# KiCad board Turbo_XT_Mainboard R3.kicad_pcb (continued)
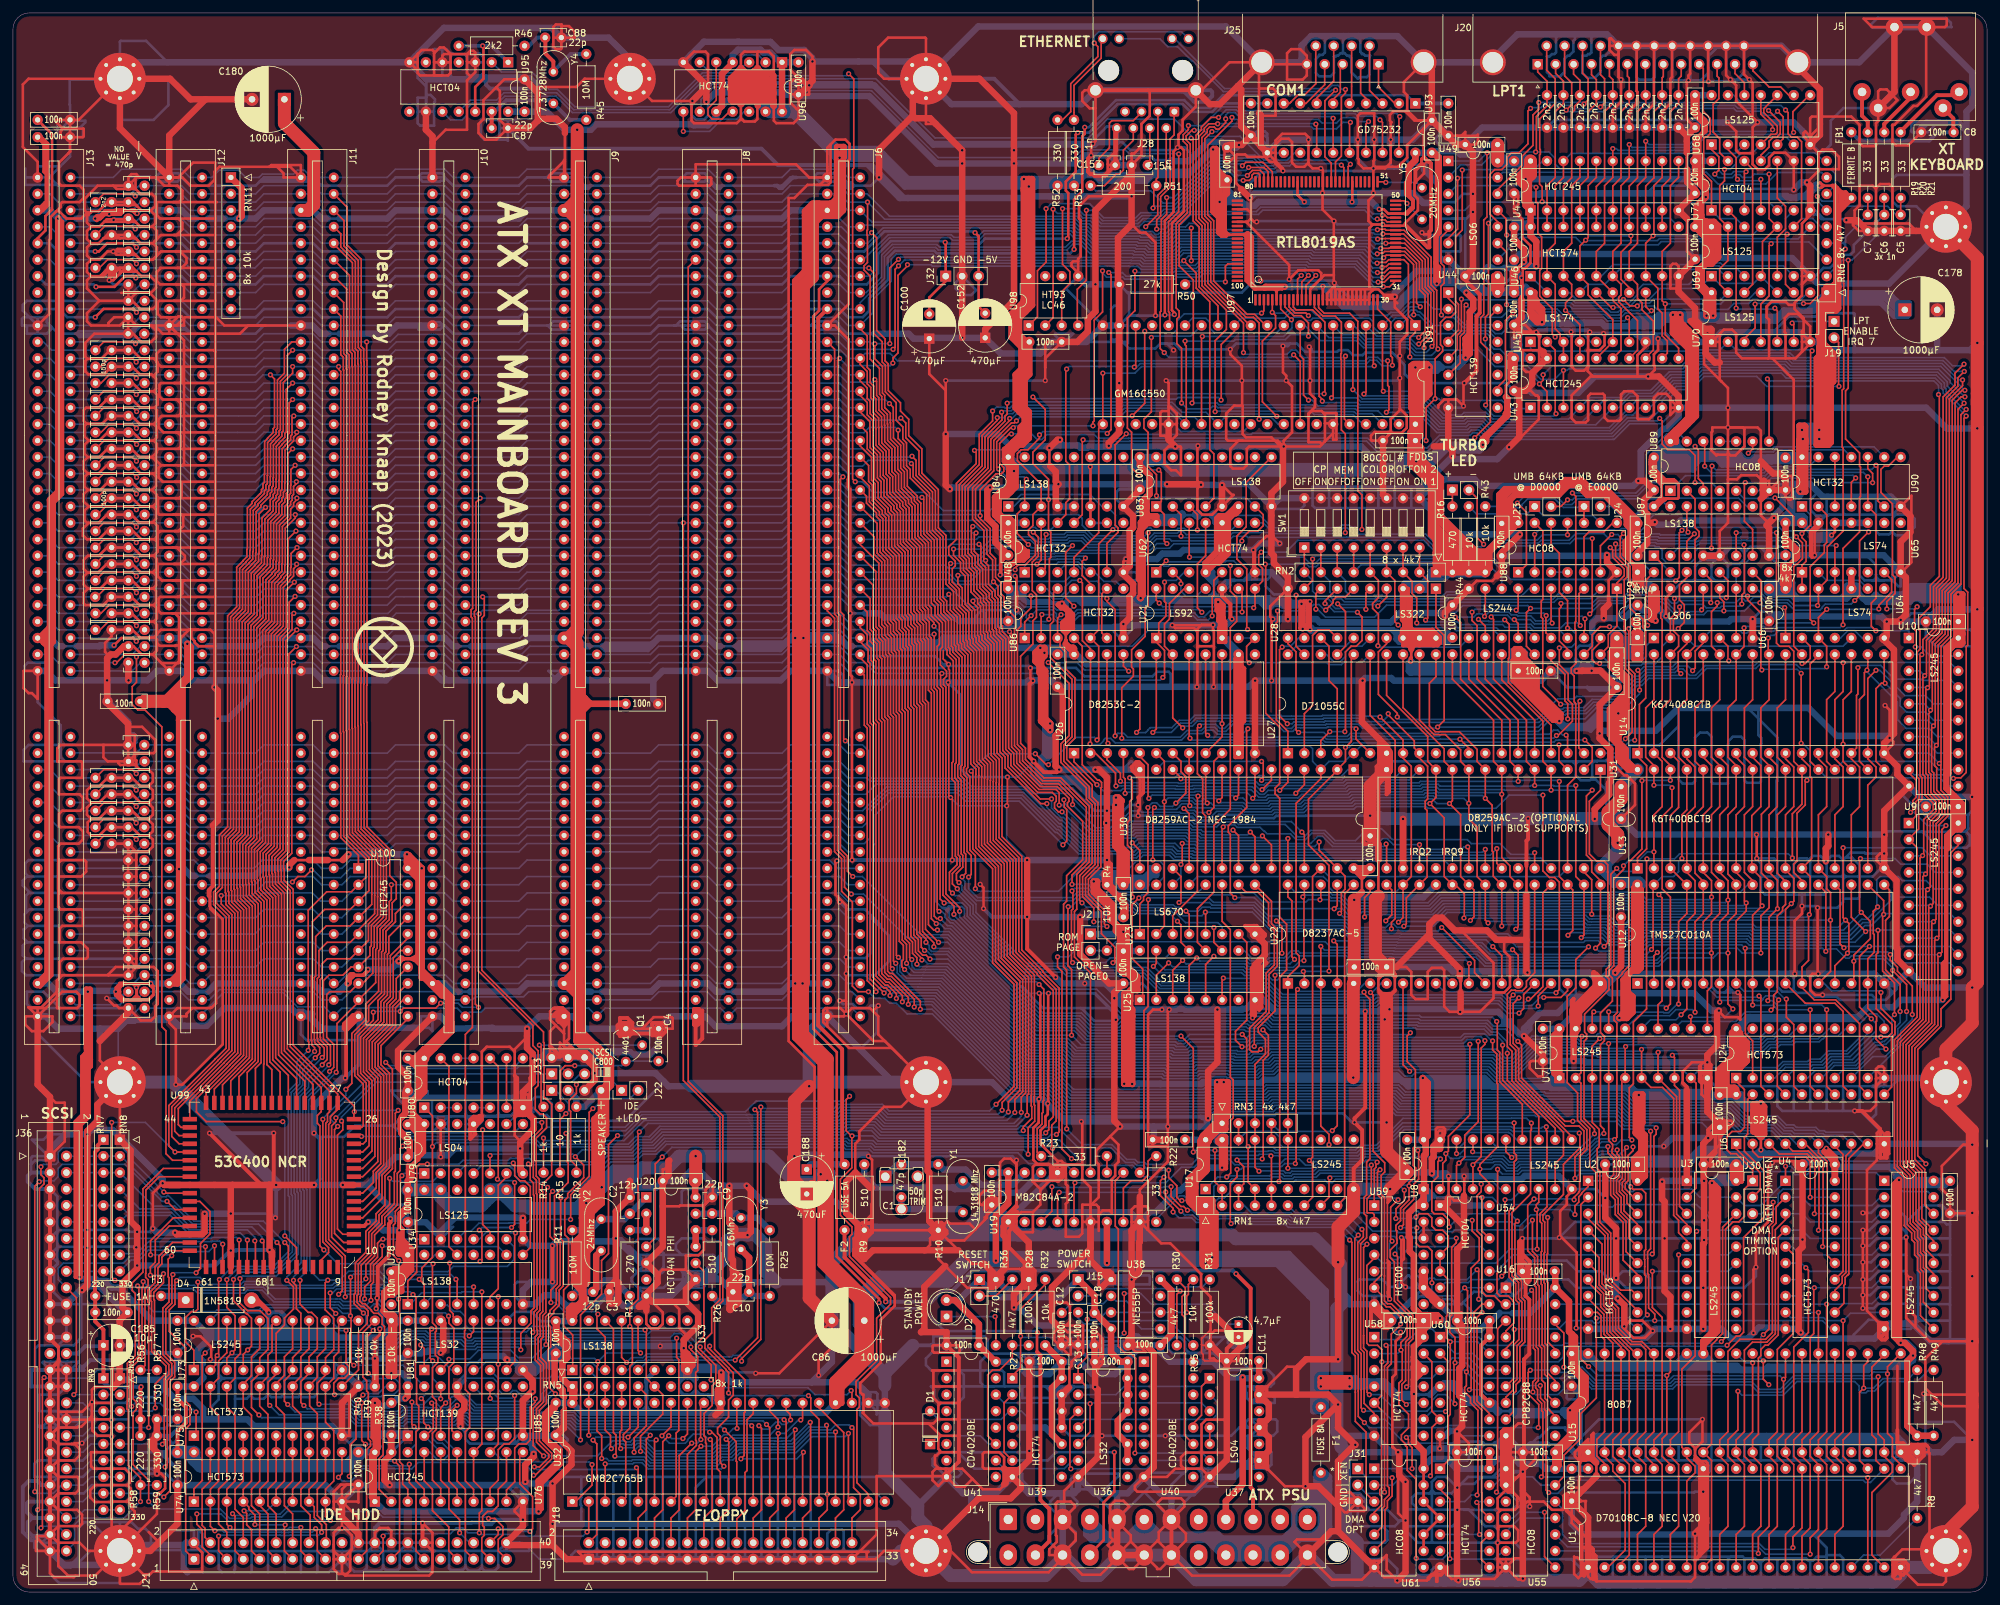
[diagram p0: board, top side]
## Routing (per net, layer and track width the routed paths; a pad name or vN(x,y) marks a point on that pad's centre or on a via; arc(x,y) is an arc through that point) (continued)
/1.8432M: length 109
  Top w0.25: 178.44,195.58 178.58,195.72 178.58,197.56 178.42,197.72 178.42,211.59 179.99,213.16 v1(179.99,222.06)
  Bottom w0.25: 106.04,228.6 106.24,228.79 106.24,230.46 108.17,232.4 121.77,232.4 122.33,231.84 132.55,231.84 142.88,221.51 163.87,221.51 165.06,222.69 171.75,222.69 172.32,222.12 179.93,222.12 v1(179.99,222.06)
/24M: length 80.7
  Top w0.25: U20.4 99.17,54.72 99.17,66.11 v1(100.25,67.18)
  Bottom w0.25: U19.14 162.43,66.17 156.83,66.17 155.16,67.84 132.76,67.84 132.23,68.37 128.59,68.37 128.29,68.67 101.73,68.67 v1(100.25,67.18)
/A0: length 520
  Top w0.25: U4.12 282.7,44.58 282.7,47.36 282.88,47.53 282.88,48.56 283.29,48.97 283.38,49.02 283.41,49.09 283.46,49.15 283.46,66.93 285.75,69.22 U6.9 ; v1(133.26,92.71) 133.26,93.06 131.9,94.42 131.9,133.41 131.44,133.86 131.44,141.6 J6.62 ; v1(59.48,74.38) 59.03,73.94 59.03,64.98 58.88,64.83 58.88,59.96 56.96,58.04 56.96,56.9 55.38,55.32 55.38,52.08 53.77,50.46 53.77,45.8 53.57,45.61 53.57,44.91 53.95,44.53 54.34,44.53 55.35,43.52 55.35,43.41 55.73,43.04 56.42,43.04 57.01,42.45 57.01,41.35 57.37,40.99 57.37,39.73 57.15,39.52 57.15,21.19 56.54,20.58 56.54,15.85 U76.2 ; U99.26 52.65,74.11 v1(52.7,74.17) 52.7,75.01 43.26,84.45 43.26,108.52 41.88,109.9 41.88,111.63 41.78,111.72 41.78,112.81 43.05,114.08 43.05,143.24 v1(43.32,143.51)
  Bottom w0.25: J6.62 128.9,142.24 127.63,143.51 120.01,143.51 118.75,142.24 J8.62 108.58,142.24 107.31,143.51 99.69,143.51 98.42,142.24 J9.62 88.26,142.24 86.99,143.51 79.38,143.51 78.1,142.24 J10.62 67.94,142.24 66.67,143.51 58.67,143.51 57.4,142.24 J11.62 47.62,142.24 46.35,143.51 v1(43.32,143.51) 38.73,143.51 37.46,142.24 J12.62 27.3,142.24 26.03,143.51 C130.1 19.68,143.51 18.41,142.24 J13.62 ; v1(59.48,74.38) 52.92,74.38 v1(52.7,74.17) ; U6.9 285.88,69.22 284.1,70.99 279.92,70.99 279.68,71.24 278.9,71.24 278.38,71.75 275.36,71.75 274.97,72.14 273.81,72.14 272.46,73.49 267.63,73.49 265.49,75.63 262.07,75.63 250.26,75.63 248.88,77.02 236.66,77.02 236.46,77.22 232.83,77.22 215.02,77.22 213.95,78.29 193.49,78.29 192.98,77.79 183.97,77.79 183.81,77.63 163.74,77.63 160.87,80.5 155.86,80.5 142.94,93.42 139.76,93.42 139.75,93.43 133.98,93.43 v1(133.26,92.71)
/A1: length 513.8
  Top w0.25: 283.84,69.22 283.84,68.2 283.01,67.37 283.01,49.33 282.43,48.75 282.43,47.72 281.31,46.59 U4.13 ; v1(59.54,45.24) 59.7,45.08 59.7,20.11 60.16,19.65 60.16,16.67 60.96,15.88 U76.3 ; v1(51.31,45.59) 51.31,51.88 48.75,54.44 48.75,72.2 49.02,72.47 49.02,73.4 50.14,74.52 U99.27 50.14,76.89 42.81,84.21 42.81,108.33 41.43,109.71 41.43,111.44 41.33,111.53 41.33,112.99 42.6,114.26 42.6,144.83 v1(43.76,146) ; J6.61 130.81,144.27 131.9,143.18 131.9,134.04 132.35,133.59 132.35,94.66 v1(134.5,92.51)
  Bottom w0.25: v1(59.54,45.24) 59.14,45.64 57.1,45.64 56.63,46.11 55.93,46.11 55.82,45.99 51.71,45.99 v1(51.31,45.59) ; v1(134.5,92.51) 134.97,92.97 142.75,92.97 155.67,80.05 160.68,80.05 163.55,77.18 183.99,77.18 184.15,77.34 193.17,77.34 193.68,77.84 213.76,77.84 214.84,76.77 236.28,76.77 236.48,76.57 248.69,76.57 250.08,75.18 261.89,75.18 265.31,75.18 267.45,73.04 272.27,73.04 273.62,71.69 274.78,71.69 275.17,71.3 278.2,71.3 278.71,70.79 279.49,70.79 279.74,70.54 282.52,70.54 283.84,69.22 ; J6.61 128.9,144.78 127.63,146.05 120.01,146.05 118.75,144.78 J8.61 108.58,144.78 107.31,146.05 99.69,146.05 98.42,144.78 J9.61 88.26,144.78 86.99,146.05 79.79,146.05 78.52,144.78 J10.61 67.94,144.78 66.67,146.05 59.18,146.05 57.91,144.78 J11.61 47.62,144.78 46.41,146 v1(43.76,146) 38.68,146 37.46,144.78 J12.61 27.3,144.78 26.03,146.05 C131.1 19.68,146.05 18.41,144.78 J13.61
/A2: length 517.6
  Top w0.25: v1(135.42,92.1) 135.42,92.67 134.82,93.27 134.47,93.27 132.8,94.95 132.8,133.78 132.35,134.23 132.35,143.37 132.03,143.69 132.03,145.54 130.81,146.76 J6.60 ; v1(61.77,45.94) 62.23,45.48 62.23,35.81 62.14,35.73 62.14,33.11 62.32,32.93 62.32,29.05 62.66,28.72 62.66,25.18 62.23,24.76 62.23,17.14 63.5,15.88 U76.4 ; v1(50.29,45.97) 50.85,46.53 50.85,51.7 48.3,54.25 48.3,72.39 48.57,72.66 48.57,73.84 48.87,74.14 U99.28 48.87,77.37 42.36,83.88 42.36,108.14 40.98,109.53 40.98,111.25 40.88,111.35 40.88,113.18 42.15,114.45 42.15,146.91 v1(43.82,148.58) ; U6.7 281.31,68.83 282.56,67.58 282.56,49.52 U4.14
  Bottom w0.25: v1(135.42,92.1) 135.84,92.52 142.56,92.52 155.49,79.6 160.49,79.6 163.36,76.73 184.18,76.73 184.34,76.89 193.36,76.89 193.86,77.39 213.57,77.39 214.65,76.32 236.09,76.32 236.29,76.12 248.51,76.12 249.89,74.73 261.7,74.73 265.12,74.73 267.26,72.59 272.09,72.59 273.44,71.24 274.6,71.24 275.05,70.79 278.08,70.79 278.53,70.34 279.31,70.34 280.43,69.22 U6.7 ; J6.60 128.9,147.32 127.63,148.59 120.01,148.59 118.75,147.32 J8.60 108.58,147.32 107.31,148.59 99.69,148.59 98.42,147.32 J9.60 88.26,147.32 86.99,148.59 79.53,148.59 78.26,147.32 J10.60 67.94,147.32 66.67,148.59 58.77,148.59 57.5,147.32 J11.60 47.62,147.32 46.36,148.58 v1(43.82,148.58) 38.73,148.58 37.46,147.32 J12.60 27.3,147.32 26.03,148.59 C132.1 19.68,148.59 18.41,147.32 J13.60 ; v1(50.29,45.97) 50.68,46.36 51.19,46.36 51.33,46.5 55.69,46.5 55.75,46.56 56.82,46.56 57.04,46.34 61.37,46.34 v1(61.77,45.94)
/A3: length 520.9
  Top w0.25: v1(136.4,91.66) 136.4,92.39 135.06,93.72 134.66,93.72 133.25,95.13 133.25,133.97 132.8,134.42 132.8,143.56 132.48,143.87 132.48,145.72 131.9,146.31 131.9,147.84 130.81,148.93 J6.59 ; v1(48.01,52.83) 47.4,53.44 47.4,71.98 47,72.38 47,73.59 47.6,74.19 U99.29 47.6,77.88 41.91,83.57 41.91,107.96 40.53,109.34 40.53,111.07 40.43,111.16 40.43,113.37 41.7,114.63 41.7,147.21 43.09,148.6 43.09,150.86 v1(43.37,151.13) ; U76.5 66.04,16 64.77,17.27 64.77,24.53 65.37,25.12 65.37,29.57 64.77,30.17 64.77,34.62 65.62,35.46 65.62,36.21 65.21,36.62 65.21,40.14 65.37,40.29 65.37,40.99 64.77,41.59 64.77,50.6 v1(64.87,50.7) ; U4.15 280.13,51.98 280.13,66.46 278.76,67.82 U6.6
  Bottom w0.25: v1(48.01,52.83) 50.14,50.7 58.96,50.7 59.36,50.3 64.47,50.3 v1(64.87,50.7) ; J6.59 128.9,149.86 127.63,151.13 120.01,151.13 118.75,149.86 J8.59 108.58,149.86 107.31,151.13 99.69,151.13 98.42,149.86 J9.59 88.26,149.86 86.99,151.13 79.38,151.13 78.1,149.86 J10.59 67.94,149.86 66.65,151.15 59.17,151.15 57.88,149.86 J11.59 47.62,149.86 46.35,151.13 v1(43.37,151.13) 38.73,151.13 37.46,149.86 J12.59 27.3,149.86 26.03,151.13 C133.1 19.68,151.13 18.41,149.86 J13.59 ; v1(136.4,91.66) 136.81,92.07 142.38,92.07 155.3,79.15 160.31,79.15 163.18,76.28 184.37,76.28 184.52,76.44 193.54,76.44 194.05,76.94 213.39,76.94 214.46,75.87 235.9,75.87 236.1,75.67 248.32,75.67 249.71,74.28 261.51,74.28 264.93,74.28 267.07,72.14 271.9,72.14 273.25,70.79 274.41,70.79 274.86,70.34 277.64,70.34 U6.6
/A4: length 582
  Top w0.25: v1(159.94,150.21) 160.02,150.3 160.02,159.55 160.24,159.77 160.24,163.67 159.89,164.01 v1(159.89,168.71) 159.89,171.83 157.48,174.24 157.48,176.02 159.38,177.93 159.38,182.63 v1(157.48,184.53) ; v1(137.32,91.14) 137.32,92.1 135.25,94.17 134.84,94.17 133.7,95.32 133.7,134.15 133.25,134.6 133.25,143.74 132.93,144.06 132.93,146.24 132.35,146.83 132.35,148.03 131.9,148.48 131.9,151.31 J6.58 ; v1(43.55,153.74) 42.64,152.83 42.64,148.79 41.25,147.39 41.25,114.82 39.98,113.55 39.98,110.98 40.08,110.88 40.08,109.15 41.46,107.77 41.46,83.25 46.33,78.39 U99.30 ; v1(202.44,185.04) 202.56,185.17 202.56,196.09 200.66,197.99 198.12,197.99 197.69,198.42 U97.10 ; v1(279.4,53.34) 279.49,53.43 279.49,66.46 276.73,69.22 276.22,69.22
  Bottom w0.25: 276.22,69.22 275.35,69.22 274.23,70.34 273.06,70.34 271.71,71.69 266.89,71.69 264.75,73.83 261.33,73.83 249.52,73.83 248.13,75.22 235.92,75.22 235.72,75.42 214.28,75.42 213.2,76.49 194.24,76.49 193.73,75.99 184.71,75.99 184.55,75.83 162.99,75.83 160.12,78.7 155.11,78.7 142.19,91.62 137.8,91.62 v1(137.32,91.14) ; U84.1 154.54,167.64 155.89,168.98 159.62,168.98 v1(159.89,168.71) ; v1(157.48,184.53) 157.73,184.28 170.43,184.28 171.2,185.04 v1(202.44,185.04) ; v1(159.94,150.21) 159.58,149.86 157.05,149.86 156.46,150.45 156.46,151.13 155.23,152.36 149.48,152.36 148.75,151.64 147.19,151.64 146.43,152.4 J6.58 128.9,152.4 127.63,153.67 120.01,153.67 118.75,152.4 J8.58 108.58,152.4 107.31,153.67 99.69,153.67 98.42,152.4 J9.58 88.26,152.4 86.99,153.67 79.38,153.67 78.1,152.4 J10.58 67.94,152.4 66.66,153.69 59.07,153.69 57.78,152.4 J11.58 47.62,152.4 46.28,153.74 v1(43.55,153.74) 38.81,153.74 37.46,152.4 J12.58 27.3,152.4 26.03,153.67 C134.1 19.68,153.67 18.41,152.4 J13.58 ; v1(279.4,53.34) U4.16
/A5: length 594.5
  Top w0.25: v1(163.81,152.24) 162.54,153.52 162.54,160.53 v1(163.59,161.59) ; J6.57 132.35,153.4 132.35,148.66 132.8,148.21 132.8,147.01 133.38,146.43 133.38,144.25 133.7,143.93 133.7,134.79 134.15,134.34 134.15,95.5 135.03,94.62 135.44,94.62 138.24,91.81 v1(138.24,90.75) ; v1(152.19,173.41) 151.89,173.71 151.89,177.63 154.07,179.81 v1(154.46,179.81) ; v1(166.75,180.09) 166.75,180.65 166.94,180.84 166.94,196.38 168.23,197.67 v1(168.23,204.02) ; U6.4 274.81,68.09 277.22,68.09 278.86,66.46 278.86,55.97 v1(278.76,55.88) ; v1(43.45,155.94) 42.19,154.69 42.19,148.98 40.8,147.58 40.8,115 39.53,113.74 39.53,110.79 39.63,110.69 39.63,108.97 41.01,107.59 41.01,82.94 45.06,78.89 U99.31 ; U97.11 198.34,202.74 v1(198.92,203.31) ; v1(156.46,171.83) 156.21,171.58 U84.2 155.06,166.49 155.06,163.46 v1(156.77,161.75)
  Bottom w0.25: v1(163.81,152.24) 163.22,151.65 161.16,151.65 160.69,152.11 156.12,152.11 155.42,152.81 149.29,152.81 148.6,152.12 147.72,152.12 144.9,154.94 J6.57 128.9,154.94 127.63,156.21 120.01,156.21 118.75,154.94 J8.57 108.58,154.94 107.31,156.21 99.69,156.21 98.42,154.94 J9.57 88.26,154.94 86.99,156.21 79.38,156.21 78.1,154.94 J10.57 67.94,154.94 66.67,156.21 59.05,156.21 57.78,154.94 J11.57 47.62,154.94 46.22,156.34 43.85,156.34 v1(43.45,155.94) 38.72,155.94 37.72,154.94 J12.57 27.3,154.94 26.03,156.21 C135.1 19.5,156.21 18.23,154.94 J13.57 ; v1(154.46,179.81) 154.74,180.09 v1(166.75,180.09) ; U4.17 v1(278.76,55.88) ; v1(198.92,203.31) 198.64,203.58 183.79,203.58 183.26,203.06 179.75,203.06 179.43,202.73 171.68,202.73 171.36,203.06 169.45,203.06 169.43,203.03 168.87,203.03 168.23,203.67 v1(168.23,204.02) ; v1(156.77,161.75) 157.27,161.25 160.42,161.25 160.69,161.52 163.53,161.52 v1(163.59,161.59) ; v1(138.24,90.75) 138.66,91.17 142.01,91.17 154.93,78.25 159.93,78.25 162.8,75.38 184.74,75.38 184.9,75.54 193.91,75.54 194.42,76.04 213.01,76.04 214.09,74.97 235.53,74.97 235.73,74.77 247.95,74.77 249.33,73.38 261.14,73.38 264.56,73.38 266.7,71.24 271.53,71.24 273.55,69.22 U6.4 ; v1(152.19,173.41) 153.38,172.21 156.08,172.21 v1(156.46,171.83)
/A6: length 572.2
  Top w0.25: 154.74,158.15 v1(154.74,157.87) 154.74,158.15 ; 154.74,158.15 155.22,158.62 156.34,158.62 157.86,160.15 157.86,162.23 156.8,163.29 156.8,164 157.48,164.68 157.48,166.37 U84.3 158.75,171.07 155.68,174.13 155.67,174.13 155.08,174.72 155.08,175.8 155.67,176.39 156.7,176.39 158.5,178.18 v1(158.5,178.69) ; v1(43.8,158.72) 43.8,158.49 43.32,158.02 43.32,156.89 42.72,156.29 42.72,156.14 41.74,155.16 41.74,149.16 40.35,147.77 40.35,115.19 39.08,113.93 39.08,110.6 39.18,110.51 39.18,108.78 40.56,107.4 40.56,82.5 43.79,79.28 U99.32 ; v1(200.01,203.31) 199,202.29 U97.12 ; v1(139.16,90.35) 139.16,91.53 135.62,95.07 135.22,95.07 134.6,95.69 134.6,134.52 134.15,134.97 134.15,144.11 133.83,144.43 133.83,146.61 133.25,147.2 133.25,148.4 132.8,148.85 132.8,155.49 J6.56 ; U6.3 272.72,67.64 277.03,67.64 278.22,66.45 278.22,58.51 v1(278.13,58.42) ; v1(169.2,203.76) 169.54,203.41 169.54,179.49 v1(168.96,178.91)
  Bottom w0.25: v1(154.74,157.87) 149.67,157.87 147.93,156.12 145.7,156.12 144.34,157.48 J6.56 128.9,157.48 127.63,158.75 120.01,158.75 118.75,157.48 J8.56 108.58,157.48 107.31,158.75 99.69,158.75 98.42,157.48 J9.56 88.26,157.48 86.99,158.75 79.38,158.75 78.1,157.48 J10.56 67.94,157.48 66.67,158.75 59.05,158.75 57.78,157.48 J11.56 47.62,157.48 46.39,158.72 v1(43.8,158.72) 38.7,158.72 37.46,157.48 J12.56 27.3,157.48 26.03,158.75 C136.1 19.5,158.75 18.23,157.48 J13.56 ; U6.3 269.57,70.79 266.51,70.79 264.37,72.93 260.95,72.93 249.15,72.93 247.76,74.32 235.54,74.32 235.34,74.52 213.9,74.52 212.83,75.59 194.61,75.59 194.1,75.09 185.08,75.09 184.93,74.93 162.62,74.93 159.75,77.8 154.74,77.8 141.82,90.72 139.53,90.72 v1(139.16,90.35) ; U4.18 v1(278.13,58.42) ; v1(200.01,203.31) 199.29,204.04 183.6,204.04 183.07,203.51 179.57,203.51 179.25,203.18 171.86,203.18 171.29,203.76 v1(169.2,203.76) ; v1(168.96,178.91) 168.67,179.2 159,179.2 v1(158.5,178.69)
/A7: length 580.2
  Top w0.25: v1(201.16,203.31) 199.64,201.8 U97.13 ; v1(140.1,90) 140.1,91.23 135.81,95.52 135.4,95.52 135.05,95.88 135.05,134.71 134.6,135.16 134.6,144.3 134.28,144.62 134.28,146.8 133.7,147.38 133.7,148.59 133.25,149.04 133.25,157.58 J6.55 ; v1(277.5,60.96) 277.5,66.52 276.85,67.17 269.52,67.17 268.6,68.08 268.6,69.22 ; v1(173.23,203.96) 173.23,197.87 172.07,196.7 172.07,179.74 172.72,179.09 172.72,173.61 v1(173.86,172.47) ; v1(178.16,161.9) 177.76,162.3 177.76,166.41 U83.1 177.31,168.42 177.31,172.87 v1(176.91,173.27) ; v1(43.86,161.29) 42.95,160.38 42.95,158.28 42.87,158.21 42.87,157.08 42.27,156.48 42.27,156.32 41.29,155.34 41.29,149.35 39.9,147.95 39.9,115.38 38.63,114.11 38.63,110.42 38.73,110.32 38.73,108.59 40.11,107.21 40.11,82.19 42.52,79.78 U99.33
  Bottom w0.25: 268.6,69.22 267.48,70.34 262.91,70.34 260.77,72.48 248.96,72.48 247.57,73.87 235.36,73.87 235.16,74.07 213.72,74.07 212.64,75.14 194.8,75.14 194.29,74.64 185.27,74.64 185.11,74.48 162.43,74.48 159.56,77.35 154.56,77.35 141.91,90 v1(140.1,90) ; v1(173.86,172.47) 174.67,173.27 v1(176.91,173.27) ; v1(201.16,203.31) 200.31,204.16 199.8,204.16 199.47,204.49 183.42,204.49 182.89,203.96 179.38,203.96 179.21,203.79 173.4,203.79 v1(173.23,203.96) ; U4.19 v1(277.5,60.96) ; J13.55 18.41,160.02 19.68,161.29 C137.1 26.03,161.29 27.3,160.02 J12.55 37.46,160.02 38.73,161.29 v1(43.86,161.29) 46.36,161.29 47.62,160.02 J11.55 57.78,160.02 59.05,161.29 66.67,161.29 67.94,160.02 J10.55 78.1,160.02 79.38,161.29 86.99,161.29 88.26,160.02 J9.55 98.42,160.02 99.69,161.29 107.31,161.29 108.58,160.02 J8.55 118.75,160.02 120.01,161.29 127.63,161.29 128.9,160.02 J6.55 149.19,160.02 150.84,161.68 154.55,161.68 155.43,160.8 160.61,160.8 160.66,160.86 175.56,160.86 176.61,161.9 v1(178.16,161.9)
/A8: length 593.7
  Top w0.25: v1(180.34,163.05) 180.34,166.37 U83.2 ; U97.15 200.94,198.34 202.25,197.03 204.16,197.03 205.1,196.09 205.1,191.29 205.02,191.2 205.02,190.41 205.1,190.32 205.1,179.45 205.72,178.84 v1(205.72,163.59) ; U99.34 41.25,80.29 39.66,81.88 39.66,107.03 38.28,108.41 38.28,110.13 38.18,110.23 38.18,114.3 39.45,115.56 39.45,148.14 40.84,149.54 40.84,155.53 41.82,156.51 41.82,156.66 42.42,157.26 42.42,158.39 42.5,158.46 42.5,162.63 v1(43.7,163.83) ; v1(135.77,96.25) 135.5,96.52 135.5,134.9 135.05,135.35 135.05,144.49 134.73,144.8 134.73,146.99 134.15,147.57 134.15,148.77 133.7,149.22 133.7,158.88 130.81,161.77 J6.54 ; U7.9 259.88,78.58 259.88,62.39 U3.2
  Bottom w0.25: U24.12 286.38,86.23 283.27,83.12 280.48,83.12 279.21,81.85 277.67,81.85 277.28,81.46 273.47,81.46 272.52,80.51 260.22,80.51 U7.9 257.95,80.5 237.6,80.5 235.97,78.87 228.89,78.87 227.54,80.21 216.51,80.21 215.99,79.68 214.89,79.68 213.96,80.61 195.36,80.61 194.69,79.94 192.81,79.94 192.3,79.44 187.44,79.44 187.31,79.57 183.42,79.57 183.12,79.28 177.57,79.28 177.31,79.54 162.46,79.54 161.05,80.95 156.05,80.95 143.12,93.87 139.94,93.87 139.93,93.88 137.57,93.88 135.77,95.68 v1(135.77,96.25) ; v1(205.72,163.59) 205.56,163.44 194.06,163.44 193.91,163.59 188.35,163.59 187.59,162.83 180.57,162.83 v1(180.34,163.05) 180.32,163.07 176.41,163.07 175.09,161.76 166.16,161.76 165.16,162.76 163.02,162.76 162.68,162.42 160.32,162.42 160.05,162.15 158.23,162.15 157.45,162.93 149.15,162.93 148.79,162.56 J6.54 128.9,162.56 127.63,163.83 120.01,163.83 118.75,162.56 J8.54 108.58,162.56 107.31,163.83 99.69,163.83 98.42,162.56 J9.54 88.26,162.56 86.99,163.83 79.38,163.83 78.1,162.56 J10.54 67.94,162.56 66.67,163.83 59.05,163.83 57.78,162.56 J11.54 47.62,162.56 46.35,163.83 v1(43.7,163.83) 38.73,163.83 37.46,162.56 J12.54 27.3,162.56 26.03,163.83 C138.1 19.47,163.83 18.2,162.56 J13.54
/A9: length 606.5
  Top w0.25: v1(43.6,166.37) 43.6,165.86 42.05,164.31 42.05,158.65 41.97,158.58 41.97,157.45 41.37,156.85 41.37,156.69 40.39,155.71 40.39,149.72 39,148.33 39,115.75 37.73,114.49 37.73,110.04 37.83,109.95 37.83,108.22 39.21,106.84 39.21,81.44 39.98,80.67 U99.35 ; v1(182.88,164) 182.88,166.37 U83.3 ; v1(256.21,82.89) 256.54,82.56 U7.8 256.54,78.23 257.32,77.45 257.32,59.55 U3.3 ; v1(136.3,97.09) 135.95,97.45 135.95,135.08 135.5,135.53 135.5,144.67 135.18,144.99 135.18,147.17 134.6,147.76 134.6,148.96 134.15,149.41 134.15,159.06 132.97,160.24 132.97,162.94 J6.53 ; U97.16 201.59,198.33 202.44,197.49 206.38,197.49 207.64,196.22 207.64,170.05 208.28,169.42 v1(208.28,164.08)
  Bottom w0.25: v1(136.3,97.09) 136.5,96.9 136.5,95.63 137.8,94.33 140.12,94.33 140.13,94.32 143.31,94.32 156.23,81.4 161.24,81.4 162.64,80 177.49,80 177.76,79.73 182.94,79.73 183.23,80.02 187.5,80.02 187.64,79.89 192.11,79.89 192.62,80.39 194.5,80.39 195.25,81.13 227.89,81.13 229.26,79.77 232.26,79.77 235.62,83.12 240.73,83.12 241.01,82.84 244.44,82.84 244.67,82.61 255.93,82.61 v1(256.21,82.89) 256.44,83.12 270.45,83.12 271.4,84.07 272.43,84.07 272.88,84.52 274.78,84.52 275.23,84.97 278.9,84.97 279.35,85.42 279.49,85.42 279.94,85.87 281.85,85.87 282.97,87 283.84,87 ; J13.53 18.36,165.1 19.63,166.37 C139.1 26.03,166.37 27.3,165.1 J12.53 37.52,165.1 38.79,166.37 v1(43.6,166.37) 46.35,166.37 47.62,165.1 J11.53 57.78,165.1 59.05,166.37 66.67,166.37 67.94,165.1 J10.53 78.1,165.1 79.38,166.37 86.99,166.37 88.26,165.1 J9.53 98.42,165.1 99.69,166.37 107.31,166.37 108.58,165.1 J8.53 118.75,165.1 120.01,166.37 127.63,166.37 128.9,165.1 J6.53 131.89,165.1 132.26,165.47 152.05,165.47 152.95,166.37 164.51,166.37 165.1,165.78 165.1,164.73 166.72,163.11 173.7,163.11 174.91,164.31 175.66,164.31 175.99,163.97 179.61,163.97 179.87,164.24 180.86,164.24 181.12,163.97 182.85,163.97 v1(182.88,164) 182.91,163.97 187.23,163.97 187.96,164.7 187.96,165.5 188.73,166.26 192.51,166.26 194.44,164.34 204.75,164.34 205.18,164.77 206.33,164.77 207.01,164.08 v1(208.28,164.08)
/A10: length 484.1
  Top w0.25: v1(136.71,98.01) 136.4,98.32 136.4,135.27 135.95,135.72 135.95,144.86 135.63,145.18 135.63,147.36 135.05,147.94 135.05,149.15 134.6,149.6 134.6,159.25 133.42,160.42 133.42,165.03 J6.52 ; U99.36 38.71,81.51 38.76,81.56 38.76,106.65 37.38,108.04 37.38,109.76 37.28,109.86 37.28,114.67 38.55,115.94 38.55,148.51 39.94,149.91 39.94,155.9 40.92,156.88 40.92,157.03 41.52,157.64 41.52,158.77 41.6,158.84 41.6,164.55 42.87,165.83 42.87,167.22 43.33,167.68 43.33,168.18 43.83,168.69 v1(43.83,168.92) ; U3.4 258.44,56.77 256.86,58.35 256.86,76.51 U7.7 254,83.33 v1(254.01,83.34)
  Bottom w0.25: J13.52 18.41,167.64 19.68,168.91 C140.1 26.03,168.91 27.3,167.64 J12.52 37.46,167.64 38.75,168.92 v1(43.83,168.92) 46.34,168.92 47.62,167.64 J11.52 57.78,167.64 59.05,168.91 66.67,168.91 67.94,167.64 J10.52 78.1,167.64 79.38,168.91 86.99,168.91 88.26,167.64 J9.52 98.42,167.64 99.69,168.91 107.31,168.91 108.58,167.64 J8.52 118.75,167.64 120.01,168.91 127.63,168.91 128.9,167.64 J6.52 ; U24.14 280.43,87 279.31,85.87 279.16,85.87 278.71,85.42 275.05,85.42 274.6,84.97 272.69,84.97 272.24,84.52 271.22,84.52 270.31,83.61 254.29,83.61 v1(254.01,83.34) 253.74,83.06 244.86,83.06 244.63,83.29 241.2,83.29 240.92,83.57 235.43,83.57 232.08,80.22 229.45,80.22 228.08,81.58 195.06,81.58 194.32,80.84 192.43,80.84 191.93,80.34 187.82,80.34 187.69,80.47 183.04,80.47 182.75,80.18 177.94,80.18 177.67,80.45 162.83,80.45 161.42,81.85 156.42,81.85 143.5,94.77 140.32,94.77 140.31,94.78 137.99,94.78 136.95,95.82 136.95,96.74 137.11,96.91 137.11,97.61 v1(136.71,98.01)
/A11: length 491.3
  Top w0.25: v1(43.76,171.45) 43.76,171.16 43.32,170.72 43.32,169.49 43.11,169.27 43.11,168.6 42.88,168.37 42.88,167.91 42.42,167.46 42.42,166.02 41.15,164.74 41.15,159.02 41.07,158.95 41.07,157.82 40.47,157.22 40.47,157.07 39.49,156.09 39.49,150.1 38.1,148.7 38.1,116.12 36.83,114.86 36.83,109.67 36.93,109.58 36.93,107.85 38.31,106.47 38.31,81.75 37.44,80.87 U99.37 ; J6.51 131.78,169.21 131.78,168.16 133.32,166.62 133.32,166.08 133.87,165.53 133.87,160.61 135.05,159.44 135.05,149.78 135.5,149.33 135.5,148.13 136.08,147.55 136.08,145.36 136.4,145.05 136.4,135.91 136.85,135.46 136.85,100.5 137.48,99.87 137.48,97.67 137.24,97.43 137.24,96.56 v1(137.67,96.13) ; v1(251.45,83.79) 251.46,83.78 U7.6 252.91,77.92 254.69,77.92 256.41,76.2 256.41,58.17 257.18,57.4 257.18,55.48 258.44,54.21 U3.5
  Bottom w0.25: J6.51 128.9,170.18 127.63,171.45 120.01,171.45 118.75,170.18 J8.51 108.58,170.18 107.31,171.45 99.69,171.45 98.42,170.18 J9.51 88.26,170.18 86.99,171.45 79.38,171.45 78.1,170.18 J10.51 67.94,170.18 66.67,171.45 59.05,171.45 57.78,170.18 J11.51 47.62,170.18 46.35,171.45 v1(43.76,171.45) 38.73,171.45 37.46,170.18 J12.51 27.3,170.18 26.03,171.45 C141.1 19.49,171.45 18.22,170.18 J13.51 ; U24.15 277.64,85.87 274.86,85.87 274.41,85.42 272.51,85.42 272.06,84.97 271.03,84.97 270.12,84.06 251.72,84.06 v1(251.45,83.79) 251.17,83.51 245.04,83.51 244.82,83.74 241.38,83.74 241.1,84.02 235.24,84.02 231.89,80.67 229.63,80.67 228.27,82.03 194.87,82.03 194.13,81.29 192.25,81.29 191.74,80.79 188.01,80.79 187.88,80.92 182.86,80.92 182.56,80.63 178.13,80.63 177.86,80.9 163.01,80.9 161.61,82.3 156.61,82.3 143.68,95.22 140.5,95.22 140.49,95.23 138.57,95.23 v1(137.67,96.13)
/A12: length 488.7
  Top w0.25: v1(137.97,97.09) 137.97,100.02 137.3,100.69 137.3,135.64 136.85,136.09 136.85,145.23 136.53,145.55 136.53,147.73 135.95,148.32 135.95,149.52 135.5,149.97 135.5,159.62 134.32,160.8 134.32,165.72 133.77,166.27 133.77,166.81 132.23,168.35 132.23,170.75 130.81,172.17 J6.50 ; U99.38 36.17,80.24 37.86,81.93 37.86,106.28 36.48,107.66 36.48,109.39 36.38,109.48 36.38,115.05 37.65,116.31 37.65,148.89 39.04,150.28 39.04,156.27 40.02,157.25 40.02,157.41 40.62,158.01 40.62,159.14 40.7,159.21 40.7,164.93 41.97,166.2 41.97,167.64 42.42,168.09 42.42,168.55 42.66,168.79 42.66,169.46 42.87,169.67 42.87,170.91 42.91,170.94 42.91,173.33 v1(43.57,173.99) ; U2.17 250.82,56.77 248.75,58.85 248.75,61.13 248.04,61.84 248.04,63.44 248.49,63.9 248.49,67.49 248.41,67.57 248.41,78.87 U7.5 248.92,84.16 v1(248.99,84.24)
  Bottom w0.25: J6.50 128.9,172.72 127.63,173.99 120.01,173.99 118.75,172.72 J8.50 108.58,172.72 107.31,173.99 99.69,173.99 98.42,172.72 J9.50 88.26,172.72 86.99,173.99 79.38,173.99 78.1,172.72 J10.50 67.94,172.72 66.67,173.99 59.05,173.99 57.78,172.72 J11.50 47.62,172.72 46.35,173.99 38.73,173.99 37.46,172.72 J12.50 27.3,172.72 26.03,173.99 C142.1 19.63,173.99 18.36,172.72 J13.50 ; v1(137.97,97.09) 137.97,96.98 138.4,96.56 138.4,96.4 139.12,95.68 140.68,95.68 140.69,95.67 143.87,95.67 156.79,82.75 161.8,82.75 163.2,81.35 178.04,81.35 178.31,81.08 182.38,81.08 182.67,81.37 188.06,81.37 188.19,81.24 191.55,81.24 192.06,81.74 193.95,81.74 194.69,82.48 228.45,82.48 229.82,81.12 231.7,81.12 235.06,84.47 241.29,84.47 241.57,84.19 245,84.19 245.23,83.96 248.72,83.96 v1(248.99,84.24) 249.27,84.51 269.94,84.51 270.84,85.42 271.87,85.42 272.32,85.87 274.23,85.87 275.35,87 276.22,87
/A13: length 496.9
  Top w0.25: v1(246.37,84.69) 246.38,84.67 U7.4 246.38,69.74 246.98,69.14 246.98,68.44 246.89,68.35 246.89,67.82 247.59,67.12 247.59,64.27 247.14,63.82 247.14,61.47 247.85,60.76 247.85,58.48 249.05,57.27 249.05,52.57 U2.15 ; v1(43.18,176.53) 42.46,175.81 42.46,171.13 42.42,171.09 42.42,169.86 42.21,169.64 42.21,168.97 41.97,168.74 41.97,168.33 41.52,167.87 41.52,166.39 40.25,165.11 40.25,159.39 40.17,159.32 40.17,158.19 39.57,157.59 39.57,157.54 38.59,156.56 38.59,150.47 37.2,149.07 37.2,116.5 35.93,115.23 35.93,109.3 36.03,109.2 36.03,107.48 37.41,106.09 37.41,82.12 35.72,80.43 35.72,80.41 34.9,79.59 U99.39 ; J6.49 132.11,173.96 132.11,171.5 132.68,170.93 132.68,168.54 134.22,167 134.22,166.45 134.77,165.9 134.77,160.98 135.95,159.81 135.95,150.16 136.4,149.71 136.4,148.5 136.98,147.92 136.98,145.74 137.3,145.42 137.3,136.28 137.75,135.83 137.75,100.88 138.44,100.18 138.44,98.01 v1(138.78,97.67)
  Bottom w0.25: U24.17 272.81,87 271.69,85.87 270.66,85.87 269.75,84.96 246.64,84.96 v1(246.37,84.69) 246.32,84.64 241.76,84.64 241.48,84.92 234.87,84.92 231.52,81.57 230.01,81.57 228.64,82.93 194.5,82.93 193.76,82.19 191.87,82.19 191.37,81.69 188.38,81.69 188.25,81.82 182.48,81.82 182.19,81.53 178.5,81.53 178.23,81.8 163.38,81.8 161.98,83.2 156.98,83.2 144.06,96.12 140.88,96.12 140.87,96.13 139.3,96.13 138.85,96.59 138.85,96.74 138.78,96.81 v1(138.78,97.67) ; J13.49 18.41,175.26 19.68,176.53 C143.1 26.03,176.53 27.3,175.26 J12.49 37.47,175.26 38.74,176.53 v1(43.18,176.53) 46.35,176.53 47.62,175.26 J11.49 57.78,175.26 59.05,176.53 66.67,176.53 67.94,175.26 J10.49 78.1,175.26 79.38,176.53 86.99,176.53 88.26,175.26 J9.49 98.42,175.26 99.69,176.53 107.31,176.53 108.58,175.26 J8.49 118.75,175.26 120.01,176.53 127.63,176.53 128.9,175.26 J6.49
/A14: length 507.4
  Top w0.25: v1(244.99,85.46) 243.84,84.3 U7.3 243.84,72.52 244.91,71.45 244.91,68.76 244.6,68.45 244.6,65.41 245.02,64.99 245.02,57.1 246.7,55.42 246.7,48.17 248.26,46.61 249.93,46.61 U2.13 ; v1(43.81,179.09) 43.81,178.83 43.32,178.34 43.32,177.75 42.46,176.88 42.46,176.78 42.01,176.33 42.01,171.32 41.97,171.28 41.97,170.05 41.76,169.83 41.76,169.16 41.52,168.93 41.52,168.51 41.07,168.06 41.07,166.58 39.8,165.3 39.8,159.58 39.72,159.51 39.72,158.38 39.12,157.78 39.12,157.73 38.14,156.75 38.14,150.65 36.75,149.26 36.75,116.68 35.48,115.42 35.48,109.11 35.58,109.02 35.58,107.29 36.96,105.91 36.96,82.31 35.27,80.61 35.27,80.59 33.63,78.95 U99.40 ; J6.48 130.81,176.97 132.56,175.22 132.56,171.69 133.13,171.12 133.13,168.72 134.67,167.18 134.67,166.64 135.22,166.09 135.22,161.17 136.4,160 136.4,150.34 136.85,149.89 136.85,148.69 137.43,148.11 137.43,145.92 137.75,145.61 137.75,136.47 138.2,136.02 138.2,101.06 138.89,100.37 138.89,98.63 139.57,97.95 v1(139.57,96.96)